# Altium PCB PCB2.PcbDoc (part 1 of 3) (continued)
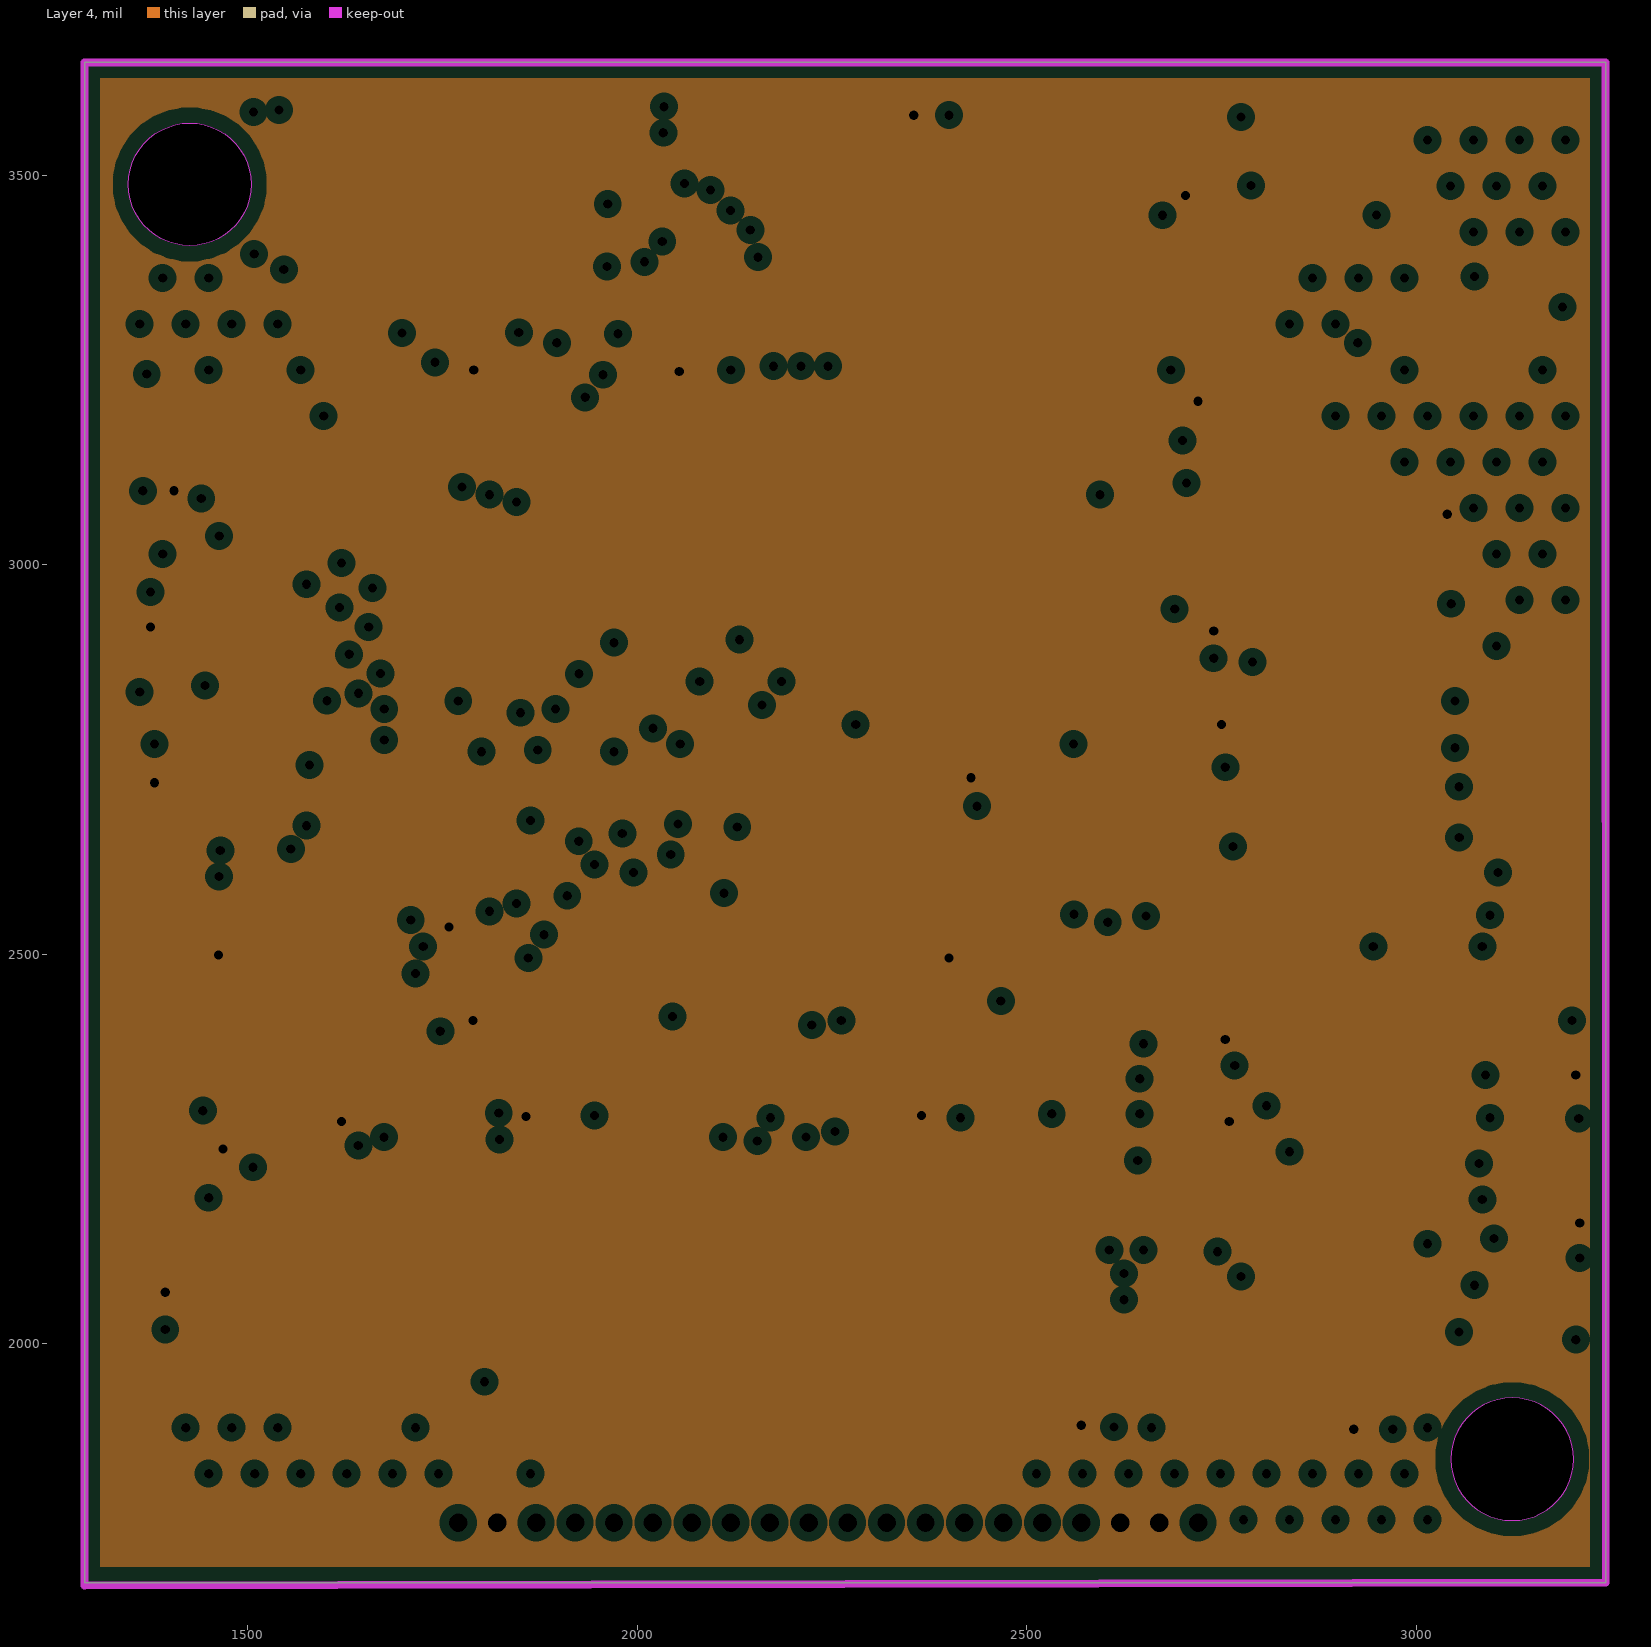
[diagram p4: Layer 4, clearances drawn from the general rule]
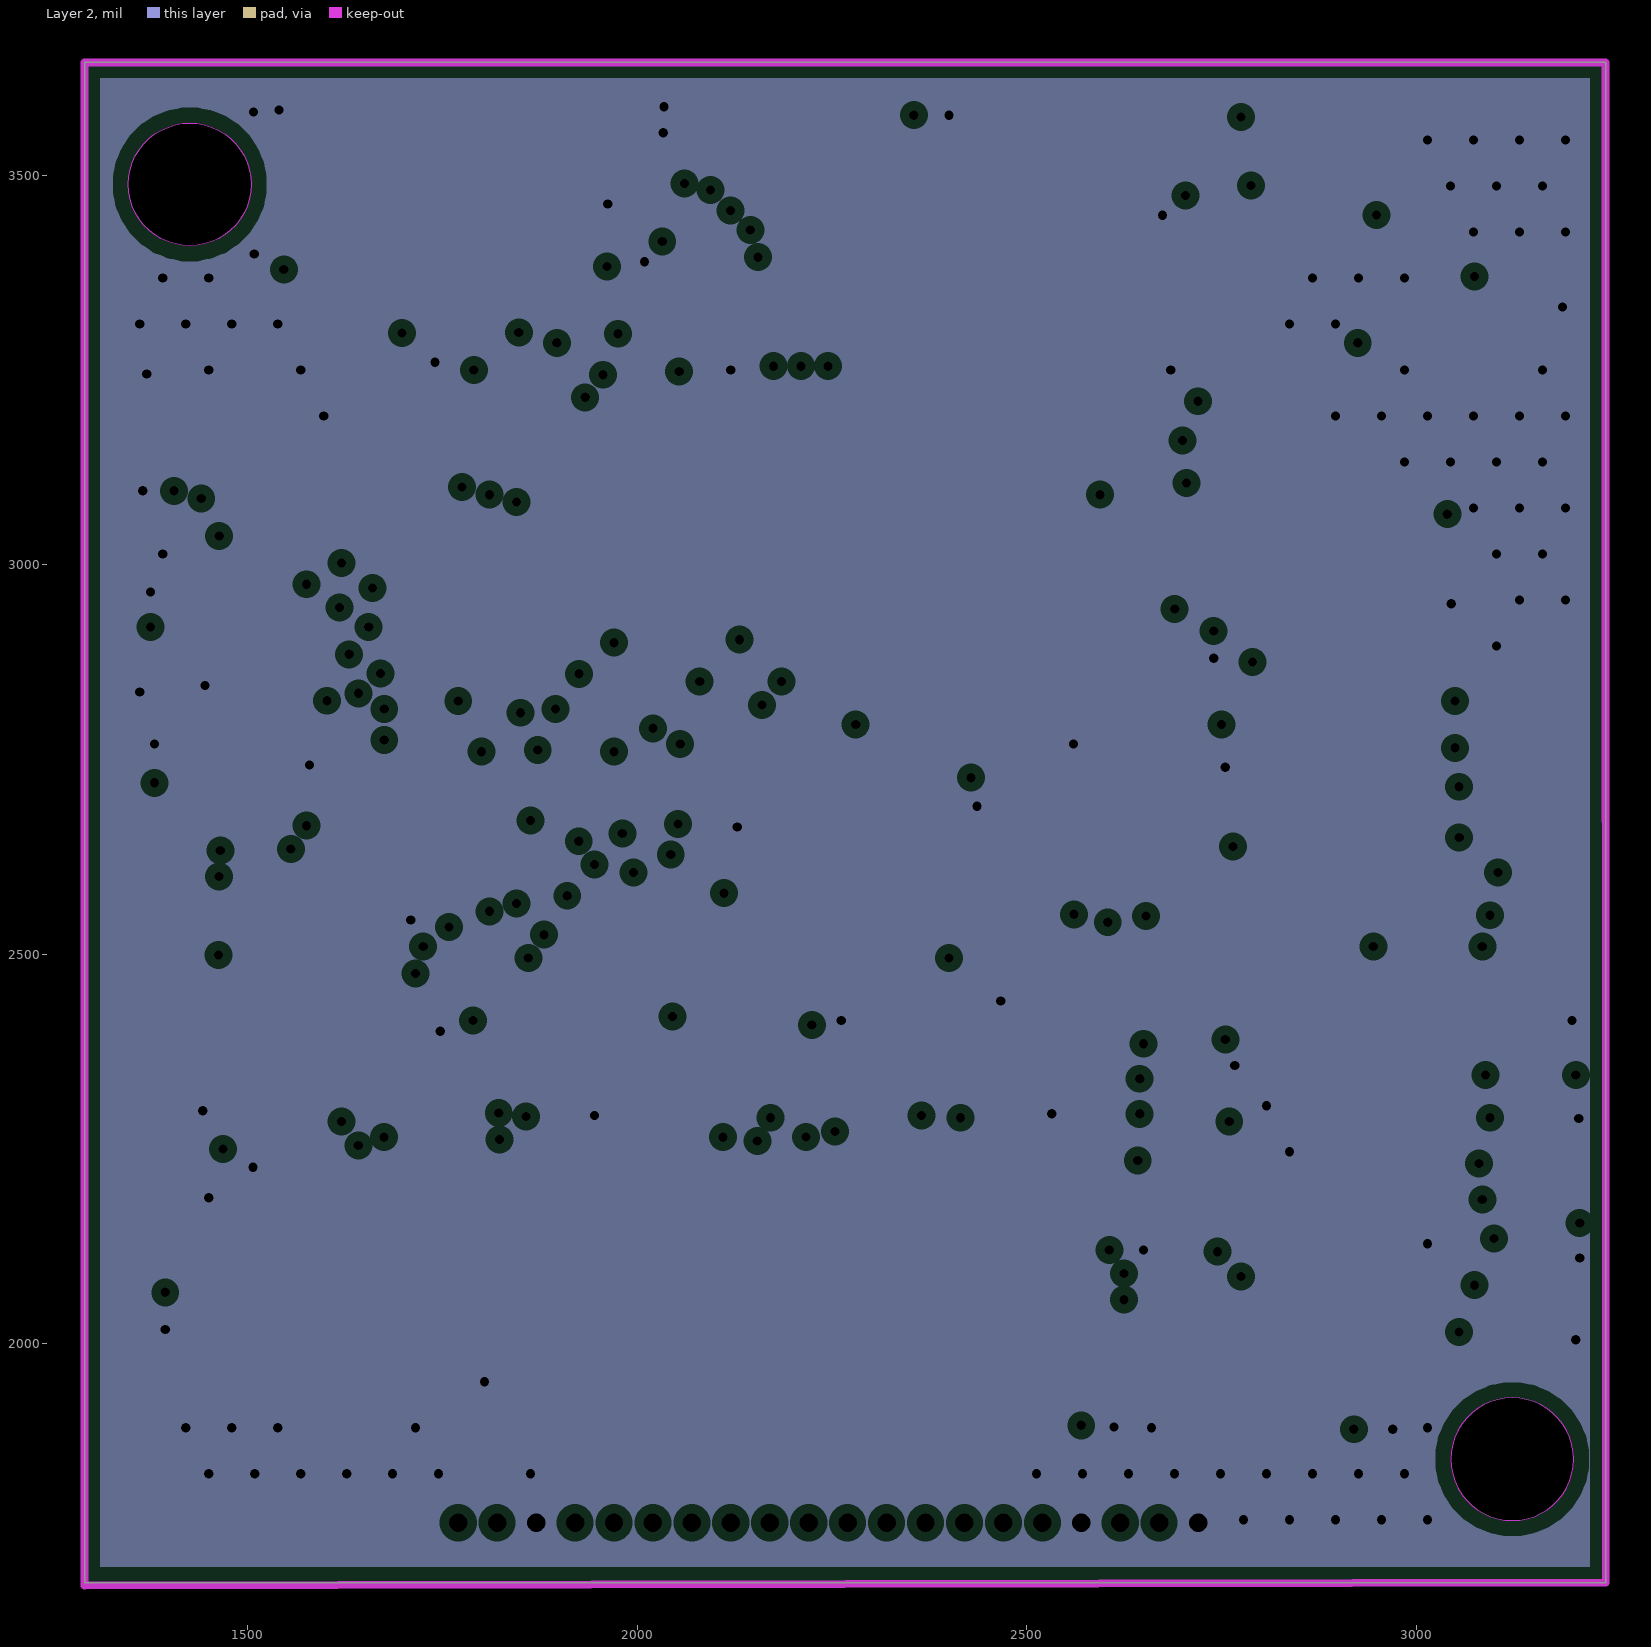
[diagram p5: Layer 2, clearances drawn from the general rule]
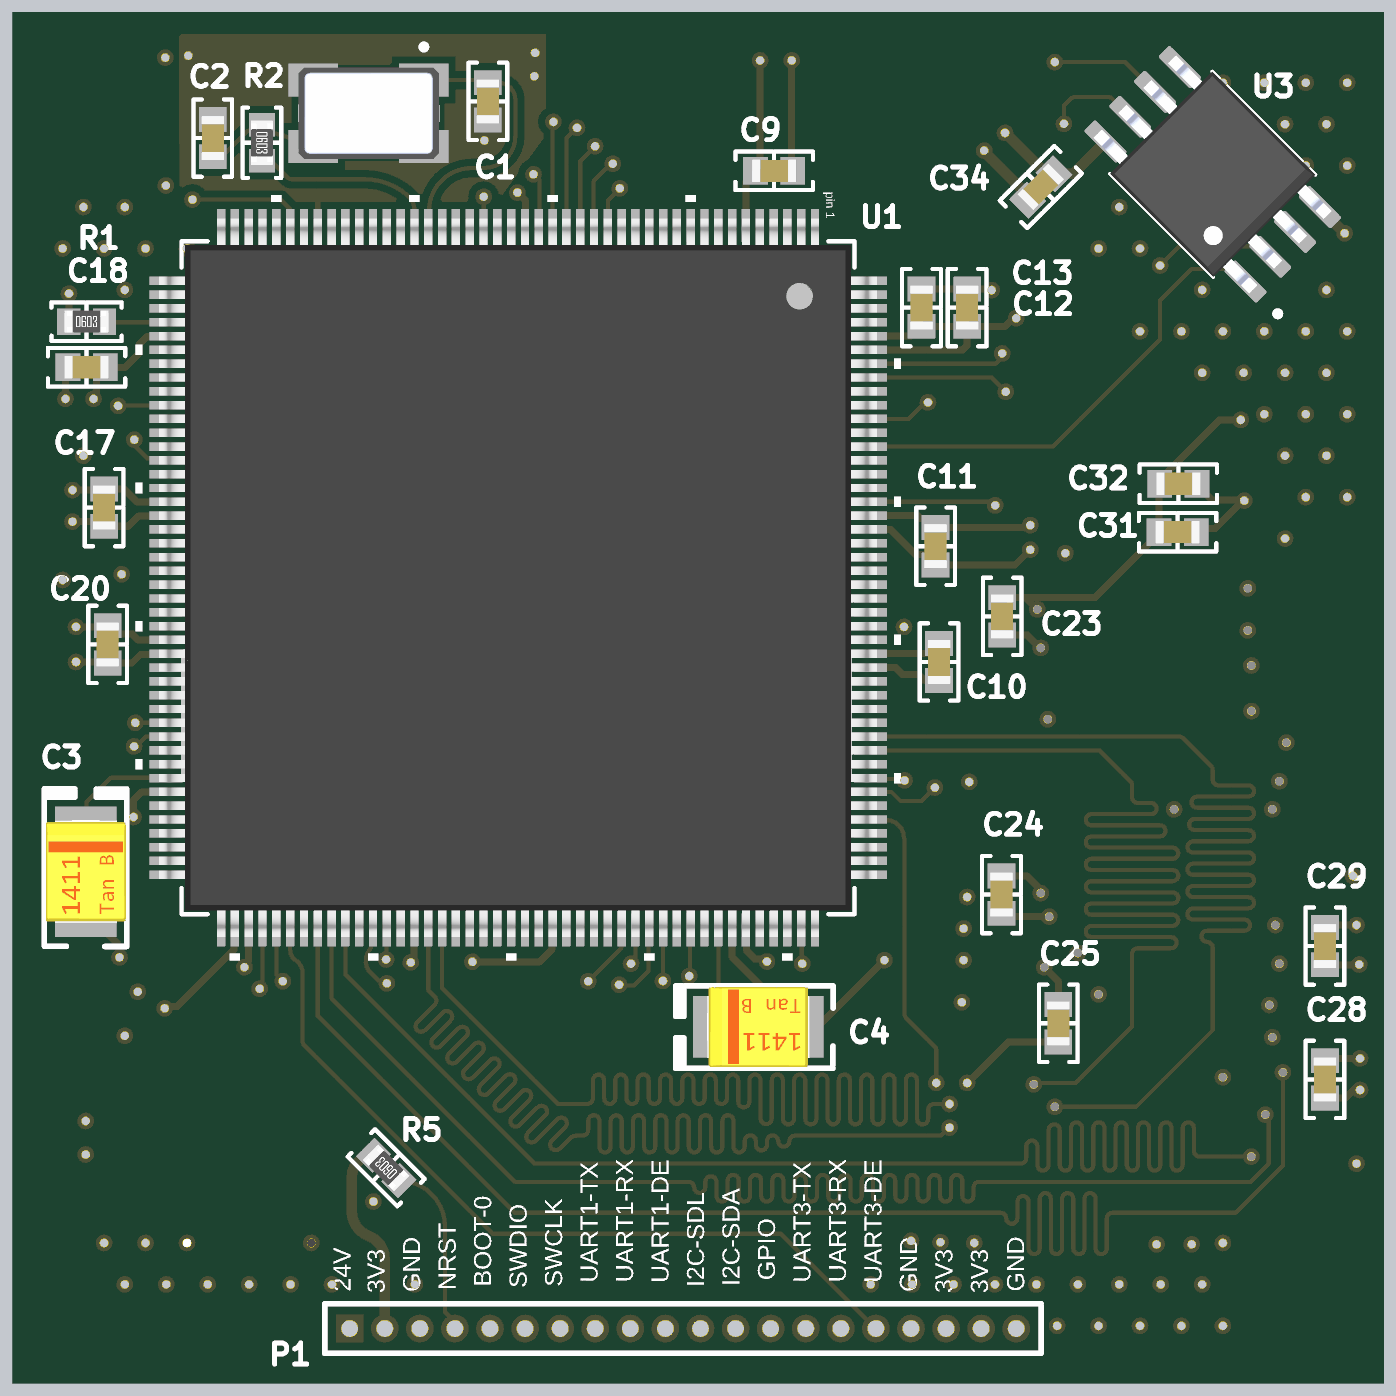
[diagram p8: 3D render of the assembled board from above, using the file's embedded part models]
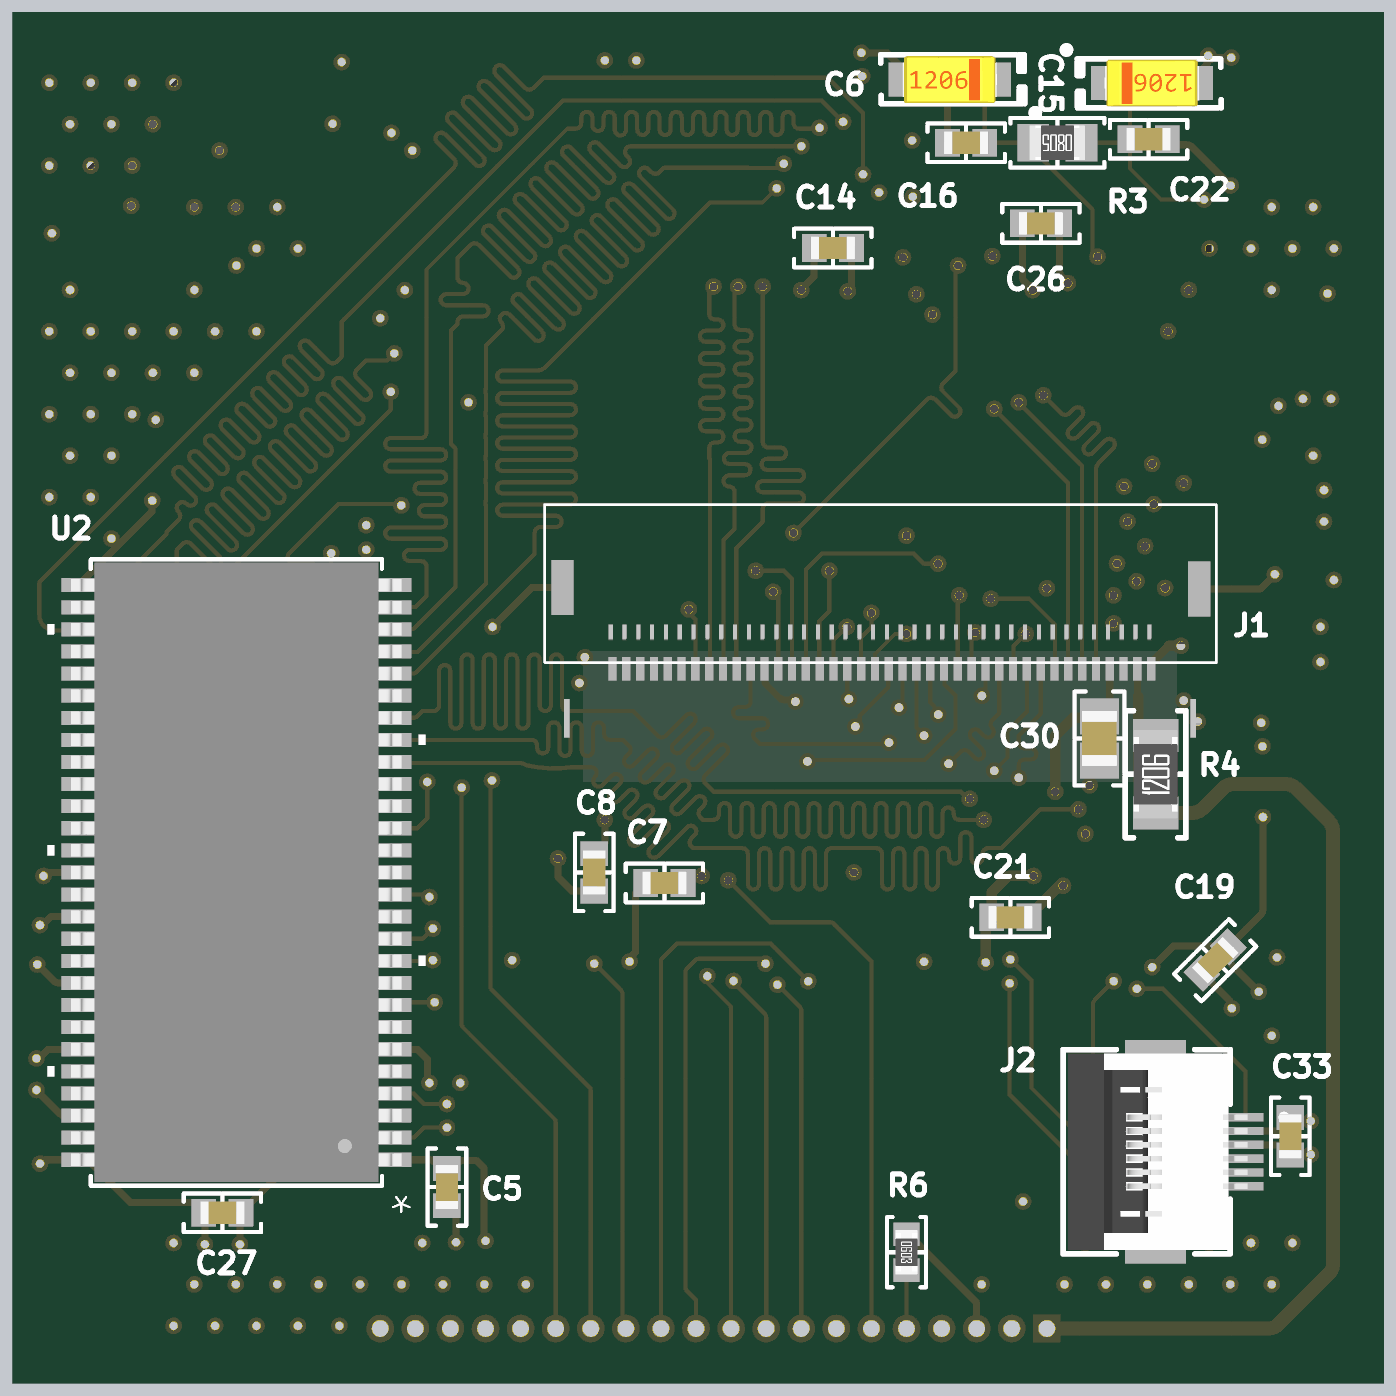
[diagram p9: 3D render of the assembled board from below, using the file's embedded part models]

## Layer stack, top to bottom
Top Solder: solder mask 0.5, Solder Resist, Dk 3.8
Top Layer: signal copper 1.378
Dielectric 2: prepreg 3.5, 2313, Dk 4.05
Layer 1: plane copper 0.689, net GND
Dielectric 4: core 14.37, Core-032, Dk 4.6
Layer 3: signal copper 0.689
Dielectric 1: prepreg 5.1, PP-017, Dk 4.25
Layer 4: plane copper 0.689, net 3V3
Dielectric 5: core 14.37, Core-032, Dk 4.6
Layer 2: plane copper 0.689, net GND
Dielectric 3: prepreg 3.5, 2313, Dk 4.05
Bottom Layer: signal copper 1.378
Bottom Solder: solder mask 0.5, Solder Resist, Dk 3.8

## Board outline
3243.31,3645 3243.31,1693 1290.31,1693 1290.31,3645
cut-out: 1425.25,3409.73 cw(c1425.25,3488.47) 1346.51,3488.47 cw(c1425.25,3488.47) 1425.25,3567.21 cw(c1425.25,3488.47) 1503.99,3488.47 cw(c1425.25,3488.47)
cut-out: 3044.68,1851.56 ccw(c3123.42,1851.56) 3123.42,1772.82 ccw(c3123.42,1851.56) 3202.16,1851.56 ccw(c3123.42,1851.56) 3123.42,1930.3 ccw(c3123.42,1851.56)

## Design rules (kind name [scope] priority, off if disabled: settings)
Clearance [All] p1: gap=10 ignorepadtopadclearanceinfootprint=TRUE except(0: Arc-Hole Track-Hole SMDPad-Hole THPad-Hole Via-Hole Fill-Hole Poly-Hole Region-Hole Text-Hole; 7: Arc-Arc Arc-Track Arc-SMDPad Track-Track Track-SMDPad)
MatchedLengths MatchedLengths_1 [InNetClass('SDRAM')] p1: tolerance=1000 checknetsindiffpair=FALSE checkdiffpairvsdiffpair=TRUE checkxsignals=TRUE checkothers=TRUE usedelayunits=TRUE delaytolerance=10.000000
MatchedLengths [InNetClass('LCD')] p2: tolerance=1000 checknetsindiffpair=FALSE checkdiffpairvsdiffpair=TRUE checkxsignals=TRUE checkothers=TRUE usedelayunits=TRUE delaytolerance=10.000000
PlaneClearance [All] p1: clearance=12.03
PlaneConnect [All] p1: planeconnectstyle=Direct reliefexpansion=20 reliefentries=4 reliefconductorwidth=10 reliefairgap=10
PolygonConnect [All] p1: connectstyle=Direct reliefconductorwidth=10 reliefentries=4 polygonreliefangle="90 Angle" airgapwidth=10
RoutingVias [All] p1: holewidth=7.87 width=15.75 viastyle="Through Hole" minholewidth=7.87 minwidth=15.75 maxholewidth=11.81 maxwidth=23.62
SignalStimulus [All] p1: kind=2 level=0 starttime=1.000n stoptime=2.000n periodtime=20.00n
SolderMaskExpansion [All] p1: expansion=4 istentingtop=TRUE
Width Width_1 [(InNet('3V3') AND InNet('24V0') AND InNet('GND'))] p1: maxlimit=20 minlimit=7 preferedwidth=10
Width [(InNetClass('LCD') AND InNetClass('SDRAM'))] p2: maxlimit=5.93 minlimit=5.78 preferedwidth=5.93 toplayer_minwidth=5.93 midlayer2_maxwidth=5.78 midlayer2_prefwidth=5.78 bottomlayer_minwidth=5.93 impedanceprofiledriven=TRUE impedanceprofileid={24EC34EC-7C99-480C-AD6A-EF8F3D04CC31} impedanceprofilevalue=50.000000 minimp=50.000000 maximp=50.000000 favimp=50.000000
Width Width_2 [All] p3: maxlimit=20 minlimit=5 preferedwidth=7
28 further rules are at their usual default settings.

## Classes and differential pairs
net class SDRAM: A0 A1 A2 A3 A4 A5 A6 A7 A8 A9 A10 A11 BA0 BA1 D0 D1 D2 D3 D4 D5 D6 D7 D8 D9 D10 D11 D12 D13 D14 D15 NBL0 NBL1 SDCKE1 SDCLK SDNCAS SDNE1 SDNRAS SDNWE
net class SDRAM-D: D0 D1 D2 D3 D4 D5 D6 D7 D8 D9 D10 D11 D12 D13 D14 D15
net class SDRAM-A: A0 A1 A2 A3 A4 A5 A6 A7 A8 A9 A10 A11
net class LCD: DOTCLK HSYNC LCD_B0 LCD_B1 LCD_B2 LCD_B3 LCD_B4 LCD_B5 LCD_B6 LCD_B7 LCD_DE LCD_DISP LCD_G0 LCD_G1 LCD_G2 LCD_G3 LCD_G4 LCD_G5 LCD_G6 LCD_G7 LCD_R0 LCD_R1 LCD_R2 LCD_R3 LCD_R4 LCD_R5 LCD_R6 LCD_R7 VSYNC
net class LCD_R[0..7]: LCD_R0 LCD_R1 LCD_R2 LCD_R3 LCD_R4 LCD_R5 LCD_R6 LCD_R7
net class LCD_G[0..7]: LCD_G0 LCD_G1 LCD_G2 LCD_G3 LCD_G4 LCD_G5 LCD_G6 LCD_G7
net class LCD_B[0..7]: LCD_B0 LCD_B1 LCD_B2 LCD_B3 LCD_B4 LCD_B5 LCD_B6 LCD_B7
net class D[0..15]: D0 D1 D2 D3 D4 D5 D6 D7 D8 D9 D10 D11 D12 D13 D14 D15
net class A[0..11]: A0 A1 A2 A3 A4 A5 A6 A7 A8 A9 A10 A11
component class STM-power-boot: C3 C4 C5 C6 C7 C8 C9 C10 C11 C12 C13 C14 C15 C16 C17 C18 C19 C20 C21 C22 R3
component class STM-connections: C1 C2 R1 R2 U1 Y1
component class SDram: C23 C24 C25 C26 C27 C28 C29 C31 C32 U2
component class LCD-connector: C30 C33 J1 J2 R4
component class BOARD-connector: C34 P1 R5 R6 U3

## Components (designator, comment, footprint, x,y, rotation, side; value= is the part's Value field where it differs from the comment)
C1 "20pF" "CAP 0603_1608" 1967,3519 r90 top
C2 "20pF" "CAP 0603_1608" 1575,3466.57 r270 top
C3 "2.2µF" "CAP POL 1411_3528" 1394,2421 r270 top
C4 "2.2µF" "CAP POL 1411_3528" 2352.52,2200 r0 top
C5 "0.1µF" "CAP 0603_1608" 2625,1971.57 r90 bottom
C6 "1µF" "CAP POL 1206_3216" 1908.43,3550 r0 bottom
C7 "0.1µF" "CAP 0603_1608" 2315,2405 r0 bottom
C8 "0.1µF" "CAP 0603_1608" 2415,2420 r90 bottom
C9 "0.1µF" "CAP 0603_1608" 2375,3420 r180 top
C10 "0.1µF" "CAP 0603_1608" 2610,2720 r90 top
C11 "0.1µF" "CAP 0603_1608" 2605,2885 r90 top
C12 "0.1µF" "CAP 0603_1608" 2585,3225 r270 top
C13 "0.1µF" "CAP 0603_1608" 2650,3225 r270 top
C14 "0.1µF" "CAP 0603_1608" 2075,3310 r180 bottom
C15 "1µF" "CAP POL 1206_3216" 1620,3545 r180 bottom
C16 "0.1µF" "CAP 0603_1608" 1885,3460 r180 bottom
C17 "0.1µF" "CAP 0603_1608" 1420,2940 r270 top
C18 "0.1µF" "CAP 0603_1608" 1395,3140 r0 top
C19 "0.1µF" "CAP 0603_1608" 1530,2295 r135 bottom
C20 "0.1µF" "CAP 0603_1608" 1425,2745 r270 top
C21 "4.7µF" "CAP 0603_1608" 1822,2356 r0 bottom
C22 "0.1µF" "CAP 0603_1608" 1625,3465 r0 bottom
C23 "0.1µF" "CAP 0603_1608" 2700,2785 r90 top
C24 "0.1µF" "CAP 0603_1608" 2699,2388.5 r90 top
C25 "0.1µF" "CAP 0603_1608" 2780,2205 r90 top
C26 "0.1µF" "CAP 0603_1608" 1778.43,3345 r0 bottom
C27 "0.1µF" "CAP 0603_1608" 2945,1935 r180 bottom
C28 "0.1µF" "CAP 0603_1608" 3160,2125 r90 top
C29 "0.1µF" "CAP 0603_1608" 3160,2315 r90 top
C30 "10µF" "CAP 0805_2012" 1695,2611 r90 bottom
C31 "0.1µF" "CAP 0603_1608" 2950,2905 r180 top
C32 "0.1µF" "CAP 0603_1608" 2951.02,2973.98 r180 top
C33 "0.1µF" "CAP 0603_1608" 1423,2044 r270 bottom
C34 "0.1µF" "CAP 0603_1608" 2755,3397 r225 top
J1 "F305-1A7H1-11040-E100" F305-1A7H1-11040-E100 2472.72,2873 r180 top locked
J2 "FFC2B35-06-G_REVA2" GCT_FFC2B35-06-G_REVA2 1615,2022 r270 bottom
P1 "MHDR1X20" MHDR1X20 1770,1770 r0 top
R1 "10 kOhms" "RES 0603_1608" 1395,3205 r0 top
R2 "220 Ohms" "RES 0603_1608" 1645,3460 r270 top
R3 "47 Ohms" "RES 0805_2012" 1755,3460 r0 bottom
R4 "100 Ohms" "RES 1206_3216" 1615,2560 r90 bottom
R5 "10 kOhms" "RES 0603_1608" 1822,1999 r135 top
R6 "10 kOhms" "RES 0603_1608" 1970,1878.77 r270 bottom
U1 "STM32F746IGT6" LQFP176_24X24_STM 2010,2840 r270 top locked
U2 "IS42S16400J-7TL" sdram 2920,2420 r0 bottom locked
U3 "AT25SF128A-SHB-T" SOIC127P790X216-8N 3000,3415 r135 top
Y1 "ABM3B-8.000MHZ-B2-T" OSC_ABM3B-8.000MHZ-B2-T 1797,3502 r270 top

## Footprints (in the part's own frame and the unit in brackets; to place one, negate y for a bottom-side part, rotate by r counter-clockwise, add the part's x,y. Pads: shape width x height; smd on the part's side, far side on the other; paste and mask are expansions set on the pad)
"CAP 0603_1608" [mm] "Chip Capacitor, 2-Leads, Body 1.60x0.80mm, IPC Medium Density"
  rect 0.9x1 smd: 1(-0.675,0) 2(0.675,0)
  silkscreen extent -1.4,-0.7 1.4,0.7, body extent -0.8,-0.41 0.8,0.41, height 0.82
"CAP 0805_2012" [mm] "Chip Capacitor, 2-Leads, Body 2.00x1.20mm, IPC Medium Density"
  rect 1.3x1.4 smd: 1(-0.8,0) 2(0.8,0)
  silkscreen extent -1.7,-0.9 1.7,0.9, body extent -1,-0.64 1,0.64, height 1.26
"CAP POL 1206_3216" [mm] "Molded Capacitor, 2-Leads, Body 3.20x1.6mm, IPC Medium Density"
  rect 1.8x1.23 smd: 1(-1.31,0) 2(1.31,0)
  silkscreen extent -3.22,-0.9 2.5,1.32, body extent -1.72,-0.85 1.71,0.85, height 1.7
"CAP POL 1411_3528" [mm] "Molded Capacitor, 2-Leads, Body 3.50x2.80mm, IPC Medium Density"
  rect 1.8x2.23 smd: 1(-1.46,0) 2(1.46,0)
  silkscreen extent -3,-1.5 2.71,1.48, body extent -1.87,-1.45 1.86,1.45, height 2
F305-1A7H1-11040-E100 [mm]
  rect 0.3x0.85 smd far side: 1(21.626,4.14) 2(21.126,4.14) 3(20.626,4.14) 4(20.126,4.14) 5(19.626,4.14) 6(19.126,4.14) 7(18.626,4.14) 8(18.126,4.14) 9(17.626,4.14) 10(17.126,4.14) 11(16.626,4.14) 12(16.126,4.14) 13(15.626,4.14) 14(15.126,4.14) 15(14.626,4.14) 16(14.126,4.14) 17(13.626,4.14) 18(13.126,4.14) 19(12.626,4.14) 20(12.126,4.14) 21(11.626,4.14) 22(11.126,4.14) 23(10.626,4.14) 24(10.126,4.14) 25(9.626,4.14) 26(9.126,4.14) 27(8.626,4.14) 28(8.126,4.14) 29(7.626,4.14) 30(7.126,4.14) 31(6.626,4.14) 32(6.126,4.14) 33(5.626,4.14) 34(5.126,4.14) 35(4.626,4.14) 36(4.126,4.14) 37(3.626,4.14) 38(3.126,4.14) 39(2.626,4.14) 40(2.126,4.14)
  rect 0.8x2 smd far side: S1(23.368,1.245) S2(0.316,1.188)
  body extent -0.34,-1.76 23.96,3.94, height 1.95
GCT_FFC2B35-06-G_REVA2 [mm]
  rect 0.3x1.3 smd: 1(-1.25,3.25) 2(-0.75,3.25) 3(-0.25,3.25) 4(0.25,3.25) 5(0.75,3.25) 6(1.25,3.25)
  rect 1.8x2.2 smd: S1(-3.15,0) S2(3.15,0)
  silkscreen extent -3.7,-3.35 3.7,4.75, body extent -3.55,-3.17 3.55,3.33, height 2.24
LQFP176_24X24_STM [mil]
  rect 47x12 smd paste+0 mask+0: 1(-501.97,423.23) 2(-501.97,403.54) 3(-501.97,383.86) 4(-501.97,364.17) 5(-501.97,344.49) 6(-501.97,324.8) 7(-501.97,305.12) 8(-501.97,285.43) 9(-501.97,265.75) 10(-501.97,246.06) 11(-501.97,226.38) 12(-501.97,206.69) 13(-501.97,187.01) 14(-501.97,167.32) 15(-501.97,147.64) 16(-501.97,127.95) 17(-501.97,108.27) 18(-501.97,88.58) 19(-501.97,68.9) 20(-501.97,49.21) 21(-501.97,29.53) 22(-501.97,9.84) 23(-501.97,-9.84) 24(-501.97,-29.53) 25(-501.97,-49.21) 26(-501.97,-68.9) 27(-501.97,-88.58) 28(-501.97,-108.27) 29(-501.97,-127.95) 30(-501.97,-147.64) 31(-501.97,-167.32) 32(-501.97,-187.01) 33(-501.97,-206.69) 34(-501.97,-226.38) 35(-501.97,-246.06) 36(-501.97,-265.75) 37(-501.97,-285.43) 38(-501.97,-305.12) 39(-501.97,-324.8) 40(-501.97,-344.49) 41(-501.97,-364.17) 42(-501.97,-383.86) 43(-501.97,-403.54) 44(-501.97,-423.23) 89(501.97,-423.23) 90(501.97,-403.54) 91(501.97,-383.86) 92(501.97,-364.17) 93(501.97,-344.49) 94(501.97,-324.8) 95(501.97,-305.12) 96(501.97,-285.43) 97(501.97,-265.75) 98(501.97,-246.06) 99(501.97,-226.38) 100(501.97,-206.69) 101(501.97,-187.01) 102(501.97,-167.32) 103(501.97,-147.64) 104(501.97,-127.95) 105(501.97,-108.27) 106(501.97,-88.58) 107(501.97,-68.9) 108(501.97,-49.21) 109(501.97,-29.53) 110(501.97,-9.84) 111(501.97,9.84) 112(501.97,29.53) 113(501.97,49.21) 114(501.97,68.9) 115(501.97,88.58) 116(501.97,108.27) 117(501.97,127.95) 118(501.97,147.64) 119(501.97,167.32) 120(501.97,187.01) 121(501.97,206.69) 122(501.97,226.38) 123(501.97,246.06) 124(501.97,265.75) 125(501.97,285.43) 126(501.97,305.12) 127(501.97,324.8) 128(501.97,344.49) 129(501.97,364.17) 130(501.97,383.86) 131(501.97,403.54) 132(501.97,423.23)